# Altium PCB PCB.PcbDoc (continued)
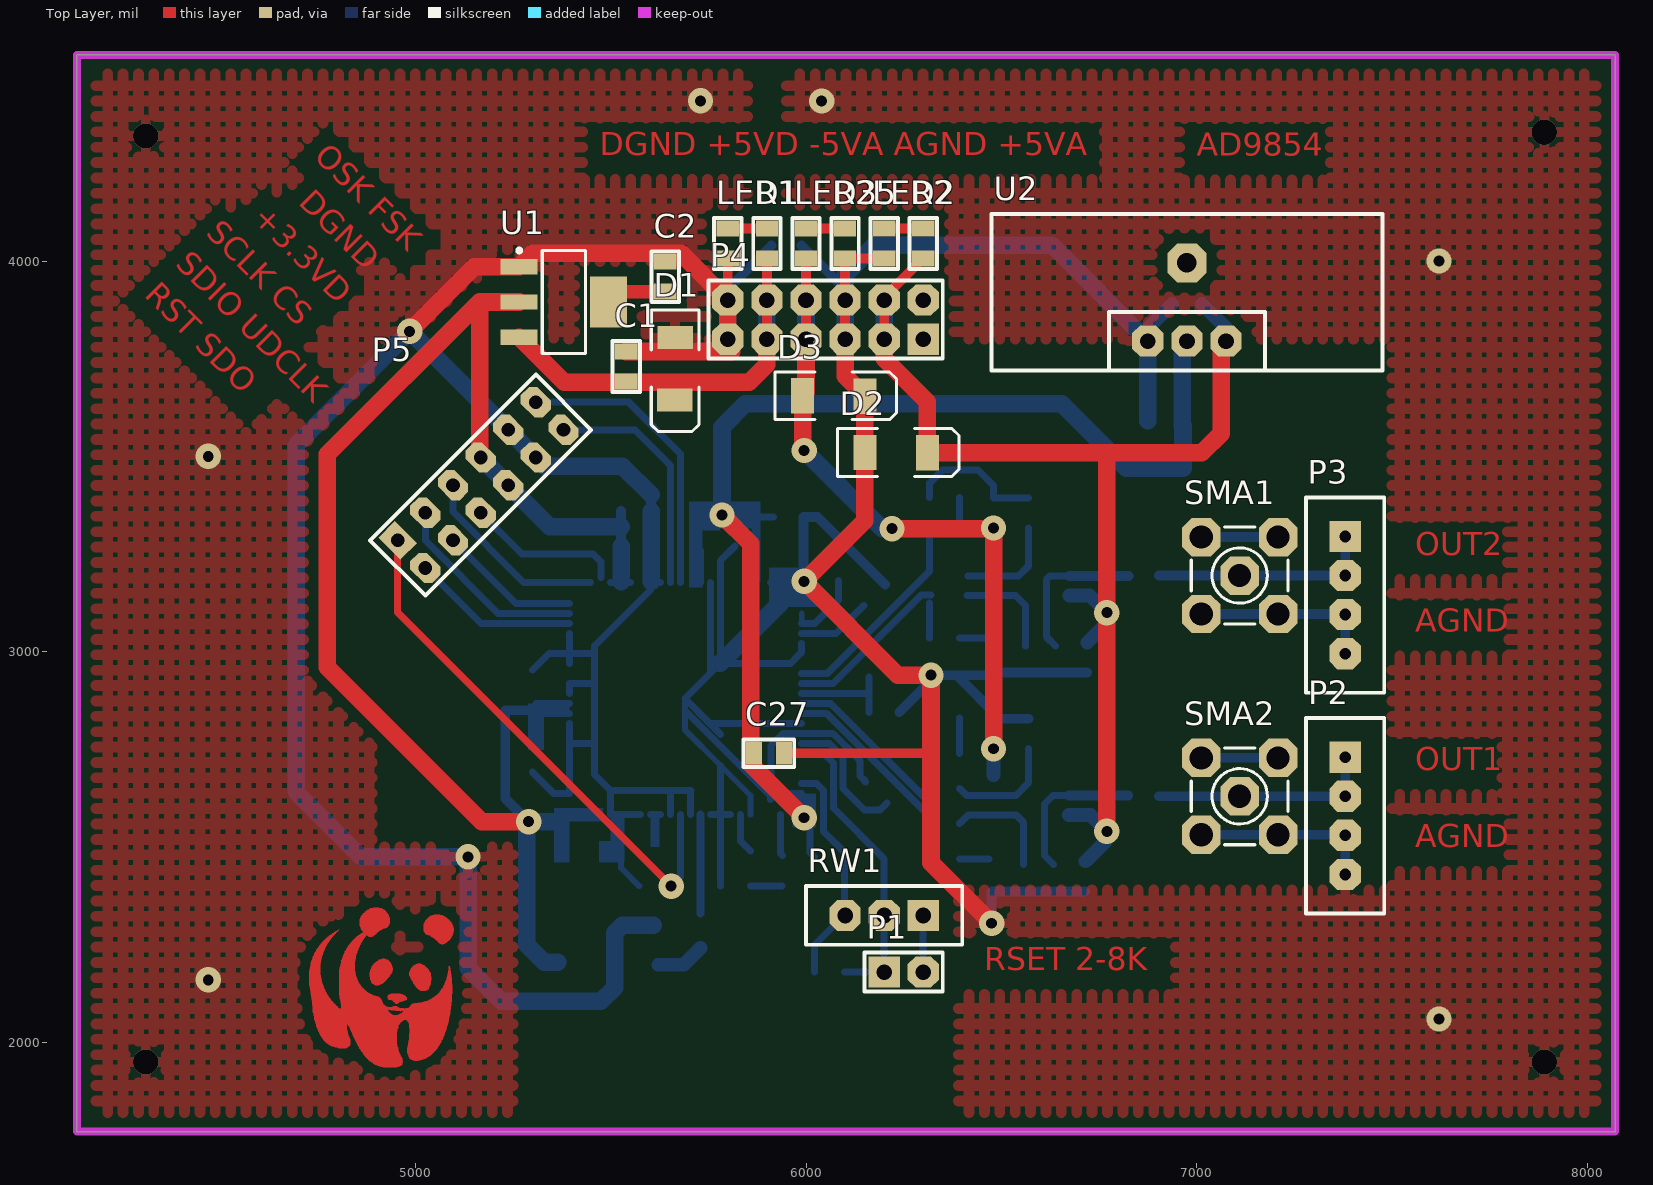
[diagram p0: Top Layer view]
## Nets (pads, with @x,y where several pads share a name; then routed paths per layer and width w, separated by ;. In a path a pad name is that pad's centre, name@x,y a point inside that pad or via, vN(x,y) a via of type N, cw(c..) or ccw(c..) an arc to the next point about the centre after c; other vN are vias at no path point) (continued)
  Top Layer w1: 4729,2148 4763,2148 ; 4729,2149 4763,2149 ; 4729,2150 4762,2150 ; 4729,2151 4762,2151 ; 4729,2152 4762,2152 ; 4729,2153 4762,2153 ; 4729,2154 4761,2154 ; 4729,2155 4761,2155 ; 4729,2156 4760,2156 ; 4729,2157 4760,2157 ; 4729,2158 4760,2158 ; 4729,2159 4760,2159 ; 4729,2160 4759,2160 ; 4729,2161 4759,2161 ; 4729,2162 4759,2162 ; 4729,2163 4759,2163 ; 4729,2164 4759,2164 ; 4729,2165 4759,2165 ; 4729,2166 4758,2166 ; 4729,2167 4758,2167 ; 4729,2168 4758,2168 ; 4729,2169 4758,2169 ; 4729,2170 4758,2170 ; 4729,2171 4758,2171 ; 4729,2172 4758,2172 ; 4729,2173 4757,2173 ; 4729,2174 4757,2174 ; 4729,2175 4757,2175 ; 4729,2176 4757,2176 ; 4729,2177 4757,2177 ; 4729,2178 4757,2178 ; 4729,2179 4757,2179 ; 4729,2180 4757,2180 ; 4729,2181 4757,2181 ; 4729,2182 4757,2182 ; 4729,2183 4757,2183 ; 4729,2184 4757,2184 ; 4730,2143 4765,2143 ; 4730,2144 4764,2144 ; 4730,2145 4764,2145 ; 4730,2146 4764,2146 ; 4730,2147 4763,2147 ; 4730,2185 4757,2185 ; 4730,2186 4757,2186 ; 4730,2187 4757,2187 ; 4730,2188 4757,2188 ; 4730,2189 4757,2189 ; 4731,2135 4768,2135 ; 4731,2136 4768,2136 ; 4731,2137 4767,2137 ; 4731,2138 4767,2138 ; 4731,2139 4767,2139 ; 4731,2140 4766,2140 ; 4731,2141 4766,2141 ; 4731,2142 4766,2142 ; 4731,2190 4757,2190 ; 4731,2191 4757,2191 ; 4731,2192 4757,2192 ; 4731,2193 4757,2193 ; 4731,2194 4757,2194 ; 4731,2195 4757,2195 ; 4732,2129 4771,2129 ; 4732,2130 4771,2130 ; 4732,2131 4770,2131 ; 4732,2132 4770,2132 ; 4732,2133 4770,2133 ; 4732,2134 4769,2134 ; 4732,2196 4757,2196 ; 4732,2197 4757,2197 ; 4732,2198 4757,2198 ; 4732,2199 4757,2199 ; 4732,2200 4757,2200 ; 4733,2124 4774,2124 ; 4733,2125 4773,2125 ; 4733,2126 4773,2126 ; 4733,2127 4772,2127 ; 4733,2128 4772,2128 ; 4733,2201 4757,2201 ; 4733,2202 4757,2202 ; 4733,2203 4757,2203 ; 4733,2204 4758,2204 ; 4734,2117 4779,2117 ; 4734,2118 4777,2118 ; 4734,2119 4777,2119 ; 4734,2120 4777,2120 ; 4734,2121 4776,2121 ; 4734,2122 4775,2122 ; 4734,2123 4775,2123 ; 4734,2205 4758,2205 ; 4734,2206 4758,2206 ; 4734,2207 4758,2207 ; 4734,2208 4758,2208 ; 4735,2109 4784,2109 ; 4735,2110 4784,2110 ; 4735,2111 4783,2111 ; 4735,2112 4782,2112 ; 4735,2113 4781,2113 ; 4735,2114 4780,2114 ; 4735,2115 4780,2115 ; 4735,2116 4779,2116 ; 4735,2209 4758,2209 ; 4735,2210 4758,2210 ; 4736,2097 4795,2097 ; 4736,2098 4794,2098 ; 4736,2099 4793,2099 ; 4736,2100 4792,2100 ; 4736,2101 4791,2101 ; 4736,2102 4790,2102 ; 4736,2103 4789,2103 ; 4736,2104 4789,2104 ; 4736,2105 4788,2105 ; 4736,2106 4786,2106 ; 4736,2107 4785,2107 ; 4736,2108 4785,2108 ; 4736,2211 4758,2211 ; 4736,2212 4759,2212 ; 4736,2213 4759,2213 ; 4736,2214 4759,2214 ; 4737,2087 4806,2087 ; 4737,2088 4805,2088 ; 4737,2089 4803,2089 ; 4737,2090 4802,2090 ; 4737,2091 4801,2091 ; 4737,2092 4800,2092 ; 4737,2093 4799,2093 ; 4737,2094 4798,2094 ; 4737,2095 4797,2095 ; 4737,2096 4796,2096 ; 4737,2215 4759,2215 ; 4737,2216 4759,2216 ; 4737,2217 4760,2217 ; 4738,2079 4932,2079 ; 4738,2080 4931,2080 ; 4738,2081 4931,2081 ; 4738,2082 4930,2082 ; 4738,2083 4930,2083 ; 4738,2084 4929,2084 ; 4738,2085 4928,2085 ; 4738,2086 4808,2086 ; 4738,2218 4760,2218 ; 4738,2219 4760,2219 ; 4739,2076 4934,2076 ; 4739,2077 4933,2077 ; 4739,2078 4933,2078 ; 4739,2220 4760,2220 ; 4739,2221 4761,2221 ; 4740,2070 4946,2070 ; 4740,2071 4942,2071 ; 4740,2072 4940,2072 ; 4740,2073 4939,2073 ; 4740,2074 4937,2074 ; 4740,2075 4936,2075 ; 4740,2222 4761,2222 ; 4740,2223 4762,2223 ; 4741,2064 5087,2064 ; 4741,2065 5087,2065 ; 4741,2066 5087,2066 ; 4741,2067 5087,2067 ; 4741,2068 5087,2068 ; 4741,2069 5088,2069 ; 4741,2224 4762,2224 ; 4741,2225 4762,2225 ; 4742,2059 5086,2059 ; 4742,2060 5086,2060 ; 4742,2061 5086,2061 ; 4742,2062 5086,2062 ; 4742,2063 5087,2063 ; 4742,2226 4763,2226 ; 4742,2227 4763,2227 ; 4742,2228 4763,2228 ; 4743,2057 4968,2057 ; 4743,2058 4970,2058 ; 4743,2229 4763,2229 ; 4744,2053 4963,2053 ; 4744,2054 4965,2054 ; 4744,2055 4966,2055 ; 4744,2056 4966,2056 ; 4744,2230 4764,2230 ; 4744,2231 4764,2231 ; 4745,2049 4960,2049 ; 4745,2050 4961,2050 ; 4745,2051 4962,2051 ; 4745,2052 4962,2052 ; 4745,2232 4764,2232 ; 4745,2233 4765,2233 ; 4746,2045 4824,2045 ; 4746,2046 4824,2046 ; 4746,2047 4825,2047 ; 4746,2048 4959,2048 ; 4746,2234 4766,2234 ; 4746,2235 4766,2235 ; 4747,2042 4824,2042 ; 4747,2043 4824,2043 ; 4747,2044 4824,2044 ; 4747,2236 4766,2236 ; 4747,2237 4767,2237 ; 4748,2040 4824,2040 ; 4748,2041 4824,2041 ; 4748,2238 4767,2238 ; 4749,2037 4825,2037 ; 4749,2038 4824,2038 ; 4749,2039 4824,2039 ; 4749,2239 4768,2239 ; 4749,2240 4768,2240 ; 4750,2034 4825,2034 ; 4750,2035 4825,2035 ; 4750,2036 4825,2036 ; 4750,2241 4768,2241 ; 4751,2031 4826,2031 ; 4751,2032 4826,2032 ; 4751,2033 4826,2033 ; 4751,2242 4769,2242 ; 4751,2243 4770,2243 ; 4752,2030 4826,2030 ; 4752,2244 4770,2244 ; 4753,2028 4826,2028 ; 4753,2029 4826,2029 ; 4753,2245 4770,2245 ; 4754,2025 4827,2025 ; 4754,2026 4827,2026 ; 4754,2027 4827,2027 ; 4754,2246 4771,2246 ; 4754,2247 4772,2247 ; 4755,2023 4827,2023 ; 4755,2024 4827,2024 ; 4755,2248 4772,2248 ; 4755,2249 4772,2249 ; 4756,2022 4827,2022 ; 4757,2020 4828,2020 ; 4757,2021 4828,2021 ; 4757,2250 4773,2250 ; 4758,2018 4829,2018 ; 4758,2019 4829,2019 ; 4758,2251 4773,2251 ; 4758,2252 4774,2252 ; 4759,2016 4830,2016 ; 4759,2017 4829,2017 ; 4759,2253 4775,2253 ; 4760,2015 4831,2015 ; 4760,2254 4775,2254 ; 4761,2014 4831,2014 ; 4761,2255 4776,2255 ; 4762,2012 4831,2012 ; 4762,2013 4831,2013 ; 4762,2256 4777,2256 ; 4763,2011 4832,2011 ; 4763,2257 4777,2257 ; 4763,2258 4778,2258 ; 4764,2009 4832,2009 ; 4764,2010 4832,2010 ; 4764,2259 4779,2259 ; 4765,2008 4833,2008 ; 4766,2007 4833,2007 ; 4766,2260 4780,2260 ; 4766,2261 4780,2261 ; 4767,2006 4833,2006 ; 4767,2262 4781,2262 ; 4768,2004 4833,2004 ; 4768,2005 4833,2005 ; 4768,2263 4781,2263 ; 4770,2003 4833,2003 ; 4770,2264 4782,2264 ; 4771,2002 4833,2002 ; 4771,2265 4783,2265 ; 4772,2001 4833,2001 ; 4772,2266 4784,2266 ; 4773,2000 4833,2000 ; 4773,2267 4784,2267 ; 4774,1999 4833,1999 ; 4774,2268 4785,2268 ; 4776,1998 4833,1998 ; 4776,2269 4786,2269 ; 4776,2270 4786,2270 ; 4777,1997 4833,1997 ; 4777,2271 4788,2271 ; 4779,1996 4833,1996 ; 4779,2272 4789,2272 ; 4780,1995 4833,1995 ; 4780,2273 4789,2273 ; 4781,1994 4832,1994 ; 4781,2274 4790,2274 ; 4783,2275 4791,2275 ; 4784,1993 4832,1993 ; 4784,2276 4792,2276 ; 4786,1992 4831,1992 ; 4786,2277 4793,2277 ; 4787,2278 4794,2278 ; 4788,1991 4831,1991 ; 4788,2279 4794,2279 ; 4790,2280 4796,2280 ; 4791,1990 4829,1990 ; 4792,2281 4797,2281 ; 4793,2282 4798,2282 ; 4794,2283 4798,2283 ; 4795,1989 4827,1989 ; 4796,2284 4799,2284 ; 4798,2285 4801,2285 ; 4800,2286 4802,2286 ; 4801,1988 4825,1988 ; 4801,2287 4803,2287 ; 4803,2288 4804,2288 ; 4804,1987 4823,1987 ; 4805,2134 4871,2134 ; 4805,2135 4870,2135 ; 4805,2136 4868,2136 ; 4805,2137 4868,2137 ; 4805,2138 4867,2138 ; 4805,2139 4866,2139 ; 4805,2140 4865,2140 ; 4805,2141 4863,2141 ; 4805,2142 4863,2142 ; 4805,2143 4862,2143 ; 4805,2144 4861,2144 ; 4805,2145 4861,2145 ; 4805,2146 4860,2146 ; 4805,2147 4859,2147 ; 4805,2148 4858,2148 ; 4805,2149 4858,2149 ; 4805,2150 4857,2150 ; 4805,2151 4857,2151 ; 4805,2152 4856,2152 ; 4805,2153 4855,2153 ; 4805,2154 4854,2154 ; 4805,2155 4854,2155 ; 4805,2156 4854,2156 ; 4805,2157 4853,2157 ; 4805,2158 4853,2158 ; 4805,2159 4852,2159 ; 4805,2160 4852,2160 ; 4805,2161 4852,2161 ; 4805,2162 4851,2162 ; 4805,2163 4851,2163 ; 4805,2164 4850,2164 ; 4805,2165 4850,2165 ; 4805,2166 4849,2166 ; 4805,2167 4849,2167 ; 4805,2168 4849,2168 ; 4805,2169 4849,2169 ; 4805,2170 4848,2170 ; 4805,2171 4848,2171 ; 4805,2172 4848,2172 ; 4805,2173 4848,2173 ; 4805,2174 4847,2174 ; 4805,2175 4847,2175 ; 4805,2176 4846,2176 ; 4806,2122 4890,2122 ; 4806,2123 4888,2123 ; 4806,2124 4885,2124 ; 4806,2125 4884,2125 ; 4806,2126 4882,2126 ; 4806,2127 4880,2127 ; 4806,2128 4878,2128 ; 4806,2129 4878,2129 ; 4806,2130 4876,2130 ; 4806,2131 4874,2131 ; 4806,2132 4873,2132 ; 4806,2133 4872,2133 ; 4806,2177 4846,2177 ; 4806,2178 4846,2178 ; 4806,2179 4846,2179 ; 4806,2180 4846,2180 ; 4806,2181 4846,2181 ; 4806,2182 4846,2182 ; 4806,2183 4845,2183 ; 4806,2184 4845,2184 ; 4806,2185 4845,2185 ; 4806,2186 4845,2186 ; 4807,2113 4910,2113 ; 4807,2114 4909,2114 ; 4807,2115 4908,2115 ; 4807,2116 4907,2116 ; 4807,2117 4906,2117 ; 4807,2118 4901,2118 ; 4807,2119 4898,2119 ; 4807,2120 4896,2120 ; 4807,2121 4893,2121 ; 4807,2187 4845,2187 ; 4807,2188 4845,2188 ; 4807,2189 4845,2189 ; 4807,2190 4845,2190 ; 4807,2191 4845,2191 ; 4807,2192 4845,2192 ; 4807,2193 4845,2193 ; 4808,2109 4913,2109 ; 4808,2110 4913,2110 ; 4808,2111 4912,2111 ; 4808,2112 4911,2112 ; 4808,2194 4845,2194 ; 4808,2195 4845,2195 ; 4808,2196 4845,2196 ; 4809,2086 4928,2086 ; 4809,2101 4917,2101 ; 4809,2102 4916,2102 ; 4809,2103 4916,2103 ; 4809,2104 4915,2104 ; 4809,2105 4915,2105 ; 4809,2106 4914,2106 ; 4809,2107 4914,2107 ; 4809,2108 4914,2108 ; 4809,2197 4845,2197 ; 4809,2198 4845,2198 ; 4809,2199 4845,2199 ; 4809,2200 4845,2200 ; 4809,2201 4845,2201 ; 4810,2087 4970,2087 ; 4810,2088 4963,2088 ; 4810,2094 4922,2094 ; 4810,2095 4922,2095 ; 4810,2096 4920,2096 ; 4810,2097 4919,2097 ; 4810,2098 4918,2098 ; 4810,2099 4918,2099 ; 4810,2100 4917,2100 ; 4810,2202 4845,2202 ; 4810,2203 4845,2203 ; 4810,2204 4845,2204 ; 4810,2205 4845,2205 ; 4810,2206 4845,2206 ; 4811,2089 4959,2089 ; 4811,2090 4957,2090 ; 4811,2091 4928,2091 ; 4811,2092 4926,2092 ; 4811,2093 4924,2093 ; 4811,2207 4845,2207 ; 4811,2208 4845,2208 ; 4811,2209 4846,2209 ; 4811,2210 4846,2210 ; 4812,2211 4846,2211 ; 4812,2212 4846,2212 ; 4813,2213 4846,2213 ; 4813,2214 4846,2214 ; 4813,2215 4846,2215 ; 4814,2216 4847,2216 ; 4814,2217 4847,2217 ; 4814,2218 4847,2218 ; 4814,2219 4848,2219 ; 4815,2220 4848,2220 ; 4815,2221 4848,2221 ; 4816,2222 4848,2222 ; 4816,2223 4848,2223 ; 4816,2224 4849,2224 ; 4817,2225 4849,2225 ; 4818,2226 4849,2226 ; 4818,2227 4849,2227 ; 4818,2228 4850,2228 ; 4819,2229 4850,2229 ; 4819,2230 4850,2230 ; 4820,2231 4851,2231 ; 4820,2232 4851,2232 ; 4820,2233 4852,2233 ; 4821,2234 4852,2234 ; 4822,2235 4852,2235 ; 4822,2236 4853,2236 ; 4823,2237 4853,2237 ; 4823,2238 4853,2238 ; 4824,2239 4854,2239 ; 4824,2240 4854,2240 ; 4825,2241 4854,2241 ; 4826,2242 4855,2242 ; 4827,2047 4959,2047 ; 4827,2243 4855,2243 ; 4827,2244 4855,2244 ; 4827,2245 4856,2245 ; 4828,2046 4958,2046 ; 4828,2246 4857,2246 ; 4829,2044 4957,2044 ; 4829,2045 4957,2045 ; 4829,2247 4857,2247 ; 4830,2043 4957,2043 ; 4830,2248 4858,2248 ; 4830,2249 4858,2249 ; 4831,2041 4956,2041 ; 4831,2042 4956,2042 ; 4831,2250 4858,2250 ; 4832,2038 4956,2038 ; 4832,2039 4956,2039 ; 4832,2040 4956,2040 ; 4832,2251 4859,2251 ; 4833,2036 4955,2036 ; 4833,2037 4955,2037 ; 4833,2252 4860,2252 ; 4833,2253 4860,2253 ; 4834,2034 4954,2034 ; 4834,2035 4954,2035 ; 4834,2254 4861,2254 ; 4835,2032 4954,2032 ; 4835,2033 4954,2033 ; 4835,2255 4861,2255 ; 4836,2029 4953,2029 ; 4836,2030 4954,2030 ; 4836,2031 4954,2031 ; 4836,2256 4862,2256 ; 4836,2257 4862,2257 ; 4837,2027 4953,2027 ; 4837,2028 4953,2028 ; 4837,2258 4863,2258 ; 4838,2025 4953,2025 ; 4838,2026 4953,2026 ; 4839,2023 4953,2023 ; 4839,2024 4953,2024 ; 4839,2259 4863,2259 ; 4840,2020 4953,2020 ; 4840,2021 4953,2021 ; 4840,2022 4953,2022 ; 4840,2260 4864,2260 ; 4840,2261 4865,2261 ; 4841,2017 4952,2017 ; 4841,2018 4952,2018 ; 4841,2019 4952,2019 ; 4841,2262 4865,2262 ; 4842,2015 4952,2015 ; 4842,2016 4952,2016 ; 4842,2263 4866,2263 ; 4843,2014 4952,2014 ; 4843,2264 4867,2264 ; 4844,2012 4952,2012 ; 4844,2013 4952,2013 ; 4845,2010 4952,2010 ; 4845,2011 4952,2011 ; 4845,2265 4867,2265 ; 4845,2266 4868,2266 ; 4846,2007 4952,2007 ; 4846,2008 4952,2008 ; 4846,2009 4952,2009 ; 4846,2267 4868,2267 ; 4847,2006 4952,2006 ; 4848,2004 4952,2004 ; 4848,2005 4952,2005 ; 4848,2268 4869,2268 ; 4849,2002 4953,2002 ; 4849,2003 4953,2003 ; 4849,2269 4870,2269 ; 4849,2270 4870,2270 ; 4850,1999 4953,1999 ; 4850,2000 4953,2000 ; 4850,2001 4953,2001 ; 4851,1998 4953,1998 ; 4851,2271 4871,2271 ; 4852,1996 4953,1996 ; 4852,1997 4953,1997 ; 4852,2272 4872,2272 ; 4853,1994 4954,1994 ; 4853,1995 4953,1995 ; 4854,1992 4954,1992 ; 4854,1993 4954,1993 ; 4854,2273 4873,2273 ; 4854,2274 4874,2274 ; 4855,1990 4954,1990 ; 4855,1991 4954,1991 ; 4856,1989 4954,1989 ; 4856,2275 4874,2275 ; 4857,1987 4955,1987 ; 4857,1988 4955,1988 ; 4857,2276 4896,2276 ; 4858,1985 4956,1985 ; 4858,1986 4956,1986 ; 4858,2300 4931,2300 ; 4858,2301 4932,2301 ; 4858,2302 4932,2302 ; 4858,2303 4933,2303 ; 4858,2304 4933,2304 ; 4858,2305 4933,2305 ; 4858,2306 4934,2306 ; 4858,2307 4934,2307 ; 4858,2308 4935,2308 ; 4858,2309 4935,2309 ; 4858,2310 4935,2310 ; 4858,2311 4935,2311 ; 4858,2312 4935,2312 ; 4858,2313 4935,2313 ; 4858,2314 4935,2314 ; 4858,2315 4935,2315 ; 4859,1984 4956,1984 ; 4859,2277 4897,2277 ; 4859,2297 4929,2297 ; 4859,2298 4930,2298 ; 4859,2299 4931,2299 ; 4859,2316 4935,2316 ; 4859,2317 4935,2317 ; 4859,2318 4934,2318 ; 4860,1982 4957,1982 ; 4860,1983 4956,1983 ; 4860,2295 4927,2295 ; 4860,2296 4928,2296 ; 4860,2319 4934,2319 ; 4861,1981 4957,1981 ; 4861,2278 4898,2278 ; 4861,2293 4920,2293 ; 4861,2294 4923,2294 ; 4861,2320 4933,2320 ; 4861,2321 4933,2321 ; 4861,2322 4933,2322 ; 4862,1979 4957,1979 ; 4862,1980 4957,1980 ; 4862,2279 4898,2279 ; 4862,2290 4914,2290 ; 4862,2291 4915,2291 ; 4862,2292 4918,2292 ; 4862,2323 4932,2323 ; 4862,2324 4932,2324 ; 4863,1977 4958,1977 ; 4863,1978 4958,1978 ; 4863,2280 4900,2280 ; 4863,2289 4912,2289 ; 4863,2325 4932,2325 ; 4864,2288 4910,2288 ; 4864,2326 4931,2326 ; 4865,1975 4959,1975 ; 4865,1976 4958,1976 ; 4865,2281 4901,2281 ; 4865,2286 4907,2286 ; 4865,2287 4908,2287 ; 4865,2327 4931,2327 ; 4866,1973 4959,1973 ; 4866,1974 4959,1974 ; 4866,2284 4904,2284 ; 4866,2285 4906,2285 ; 4866,2328 4930,2328 ; 4866,2329 4929,2329 ; 4867,1972 4959,1972 ; 4867,2282 4902,2282 ; 4867,2283 4903,2283 ; 4867,2330 4929,2330 ; 4868,1970 4961,1970 ; 4868,1971 4960,1971 ; 4868,2331 4928,2331 ; 4869,1969 4961,1969 ; 4870,1968 4961,1968 ; 4870,2332 4927,2332 ; 4871,1967 4962,1967 ; 4871,2333 4926,2333 ; 4871,2334 4926,2334 ; 4872,1965 4963,1965 ; 4872,1966 4963,1966 ; 4872,2335 4925,2335 ; 4874,1964 4963,1964 ; 4874,2336 4924,2336 ; 4875,1962 4965,1962 ; 4875,1963 4964,1963 ; 4876,1961 4965,1961 ; 4876,2275 4894,2275 ; 4876,2337 4923,2337 ; 4876,2338 4922,2338 ; 4877,1960 4966,1960 ; 4878,1959 4966,1959 ; 4878,2274 4893,2274 ; 4878,2339 4921,2339 ; 4879,1958 4966,1958 ; 4879,2273 4893,2273 ; 4880,1957 4967,1957 ; 4880,2340 4920,2340 ; 4881,1956 4967,1956 ; 4881,2272 4890,2272 ; 4882,2341 4918,2341 ; 4883,1955 4967,1955 ; 4884,1953 4968,1953 ; 4884,1954 4967,1954 ; 4884,2169 4932,2169 ; 4884,2170 4933,2170 ; 4884,2171 4934,2171 ; 4884,2172 4935,2172 ; 4884,2173 4935,2173 ; 4884,2174 4936,2174 ; 4884,2175 4937,2175 ; 4884,2176 4937,2176 ; 4884,2177 4938,2177 ; 4884,2178 4939,2178 ; 4884,2179 4940,2179 ; 4884,2180 4940,2180 ; 4884,2342 4915,2342 ; 4885,2162 4927,2162 ; 4885,2163 4927,2163 ; 4885,2164 4928,2164 ; 4885,2165 4929,2165 ; 4885,2166 4930,2166 ; 4885,2167 4931,2167 ; 4885,2168 4931,2168 ; 4885,2181 4941,2181 ; 4885,2182 4941,2182 ; 4885,2183 4941,2183 ; 4885,2184 4941,2184 ; 4885,2185 4941,2185 ; 4885,2343 4914,2343 ; 4886,1952 4968,1952 ; 4886,2160 4924,2160 ; 4886,2161 4926,2161 ; 4886,2186 4942,2186 ; 4886,2187 4942,2187 ; 4887,1951 4968,1951 ; 4887,2156 4921,2156 ; 4887,2157 4922,2157 ; 4887,2158 4923,2158 ; 4887,2159 4923,2159 ; 4887,2188 4942,2188 ; 4887,2189 4942,2189 ; 4887,2190 4942,2190 ; 4888,2154 4919,2154 ; 4888,2155 4919,2155 ; 4888,2191 4941,2191 ; 4888,2192 4941,2192 ; 4888,2193 4941,2193 ; 4888,2344 4911,2344 ; 4889,1950 4968,1950 ; 4889,2153 4917,2153 ; 4889,2194 4941,2194 ; 4889,2195 4941,2195 ; 4891,1949 4967,1949 ; 4891,2152 4916,2152 ; 4891,2196 4940,2196 ; 4891,2197 4940,2197 ; 4892,1948 4967,1948 ; 4892,2151 4914,2151 ; 4892,2198 4940,2198 ; 4892,2345 4907,2345 ; 4893,1947 4967,1947 ; 4893,2199 4939,2199 ; 4894,2150 4911,2150 ; 4894,2200 4939,2200 ; 4894,2201 4938,2201 ; 4895,1946 4967,1946 ; 4895,2149 4910,2149 ; 4895,2202 4938,2202 ; 4896,2203 4937,2203 ; 4897,1945 4966,1945 ; 4897,2204 4936,2204 ; 4898,1944 4966,1944 ; 4898,2148 4907,2148 ; 4899,2205 4936,2205 ; 4900,2206 4935,2206 ; 4901,1943 4965,1943 ; 4901,2207 4934,2207 ; 4903,2208 4933,2208 ; 4904,1942 4963,1942 ; 4905,2209 4932,2209 ; 4905,2210 4931,2210 ; 4906,1941 4961,1941 ; 4907,2211 4930,2211 ; 4908,1940 4960,1940 ; 4910,2212 4927,2212 ; 4912,1939 4957,1939 ; 4913,2213 4925,2213 ; 4916,2214 4922,2214 ; 4918,1938 4952,1938 ; 4929,2115 4978,2115 ; 4929,2116 4977,2116 ; 4929,2117 4976,2117 ; 4929,2118 4975,2118 ; 4929,2119 4974,2119 ; 4930,2086 5091,2086 ; 4930,2114 4978,2114 ; 4930,2120 4973,2120 ; 4931,2112 4978,2112 ; 4931,2113 4978,2113 ; 4931,2121 4972,2121 ; 4932,2085 5090,2085 ; 4932,2111 4978,2111 ; 4932,2122 4969,2122 ; 4935,2123 4966,2123 ; 4937,2084 5090,2084 ; 4937,2110 4978,2110 ; 4939,2124 4962,2124 ; 4940,2109 4976,2109 ; 4941,2091 4954,2091 ; 4942,2083 5090,2083 ; 4942,2108 4972,2108 ; 4942,2125 4959,2125 ; 4943,2107 4968,2107 ; 4944,2106 4964,2106 ; 4945,2092 4952,2092 ; 4945,2105 4961,2105 ; 4947,2104 4959,2104 ; 4948,2093 4949,2093 ; 4948,2103 4958,2103 ; 4949,2102 4957,2102 ; 4950,2082 5090,2082 ; 4950,2100 4954,2100 ; 4950,2101 4956,2101 ; 4952,2070 5088,2070 ; 4952,2099 4953,2099 ; 4957,2071 5088,2071 ; 4959,2072 5088,2072 ; 4961,2073 5088,2073 ; 4962,2074 5088,2074 ; 4962,2081 4963,2081 ; 4965,2075 5089,2075 ; 4966,2076 5089,2076 ; 4967,2077 5089,2077 ; 4968,2078 5089,2078 ; 4969,2079 5090,2079 ; 4970,2080 5090,2080 ; 4971,2081 5090,2081 ; 4976,2087 5091,2087 ; 4978,2058 5086,2058 ; 4979,2057 5085,2057 ; 4980,1975 5046,1975 ; 4980,1976 5047,1976 ; 4980,1977 5048,1977 ; 4980,1978 5049,1978 ; 4980,1979 5050,1979 ; 4980,1980 5051,1980 ; 4980,1981 5052,1981 ; 4980,1982 5053,1982 ; 4980,1983 5053,1983 ; 4980,1984 5054,1984 ; 4980,1985 5055,1985 ; 4980,1986 5056,1986 ; 4980,1987 5057,1987 ; 4980,2055 5084,2055 ; 4980,2056 5085,2056 ; 4981,1971 5042,1971 ; 4981,1972 5043,1972 ; 4981,1973 5044,1973 ; 4981,1974 5045,1974 ; 4981,1988 5057,1988 ; 4981,1989 5058,1989 ; 4981,1990 5058,1990 ; 4981,1991 5060,1991 ; 4981,1992 5060,1992 ; 4981,2088 5091,2088 ; 4982,1968 5039,1968 ; 4982,1969 5040,1969 ; 4982,1970 5041,1970 ; 4982,1993 5060,1993 ; 4982,1994 5061,1994 ; 4982,1995 5062,1995 ; 4982,1996 5062,1996 ; 4982,1997 5063,1997 ; 4982,1998 5064,1998 ; 4982,1999 5064,1999 ; 4982,2053 5084,2053 ; 4982,2054 5084,2054 ; 4983,1965 5035,1965 ; 4983,1966 5036,1966 ; 4983,1967 5038,1967 ; 4983,2000 5065,2000 ; 4983,2001 5065,2001 ; 4983,2002 5066,2002 ; 4983,2003 5066,2003 ; 4983,2004 5067,2004 ; 4983,2005 5067,2005 ; 4983,2050 5083,2050 ; 4983,2051 5084,2051 ; 4983,2052 5084,2052 ; 4983,2089 5091,2089 ; 4984,1963 5031,1963 ; 4984,1964 5033,1964 ; 4984,2006 5067,2006 ; 4984,2007 5068,2007 ; 4984,2008 5069,2008 ; 4984,2009 5069,2009 ; 4984,2010 5070,2010 ; 4984,2011 5070,2011 ; 4984,2046 5082,2046 ; 4984,2047 5083,2047 ; 4984,2048 5083,2048 ; 4984,2049 5083,2049 ; 4984,2090 5091,2090 ; 4985,1961 5028,1961 ; 4985,1962 5029,1962 ; 4985,2012 5071,2012 ; 4985,2013 5071,2013 ; 4985,2014 5071,2014 ; 4985,2015 5072,2015 ; 4985,2016 5072,2016 ; 4985,2017 5073,2017 ; 4985,2018 5073,2018 ; 4985,2019 5074,2019 ; 4985,2020 5074,2020 ; 4985,2021 5074,2021 ; 4985,2022 5075,2022 ; 4985,2039 5080,2039 ; 4985,2040 5080,2040 ; 4985,2041 5081,2041 ; 4985,2042 5081,2042 ; 4985,2043 5082,2043 ; 4985,2044 5082,2044 ; 4985,2045 5082,2045 ; 4985,2172 5040,2172 ; 4985,2173 5040,2173 ; 4985,2174 5040,2174 ; 4985,2175 5039,2175 ; 4985,2176 5039,2176 ; 4985,2177 5039,2177 ; 4985,2178 5038,2178 ; 4985,2179 5038,2179 ; 4985,2180 5038,2180 ; 4986,2023 5075,2023 ; 4986,2024 5075,2024 ; 4986,2025 5076,2025 ; 4986,2026 5076,2026 ; 4986,2027 5077,2027 ; 4986,2028 5077,2028 ; 4986,2029 5077,2029 ; 4986,2030 5078,2030 ; 4986,2031 5078,2031 ; 4986,2032 5078,2032 ; 4986,2033 5079,2033 ; 4986,2034 5079,2034 ; 4986,2035 5079,2035 ; 4986,2036 5079,2036 ; 4986,2037 5080,2037 ; 4986,2038 5080,2038 ; 4986,2091 5091,2091 ; 4986,2171 5040,2171 ; 4986,2181 5037,2181 ; 4986,2182 5036,2182 ; 4987,1960 5026,1960 ; 4987,2092 5091,2092 ; 4987,2169 5040,2169 ; 4987,2170 5040,2170 ; 4987,2183 5035,2183 ; 4987,2184 5035,2184 ; 4987,2185 5035,2185 ; 4988,1959 5023,1959 ; 4988,2093 5091,2093 ; 4988,2166 5041,2166 ; 4988,2167 5041,2167 ; 4988,2168 5041,2168 ; 4988,2186 5034,2186 ; 4988,2187 5033,2187 ; 4989,1958 5020,1958 ; 4989,2094 5091,2094 ; 4989,2095 5092,2095 ; 4989,2164 5041,2164 ; 4989,2165 5041,2165 ; 4989,2188 5032,2188 ; 4989,2189 5031,2189 ; 4990,2096 5092,2096 ; 4990,2163 5041,2163 ; 4990,2190 5030,2190 ; 4991,1957 5018,1957 ; 4991,2097 5092,2097 ; 4991,2098 5092,2098 ; 4991,2161 5041,2161 ; 4991,2162 5041,2162 ; 4991,2191 5029,2191 ; 4992,2099 5092,2099 ; 4992,2159 5040,2159 ; 4992,2160 5041,2160 ; 4992,2192 5028,2192 ; 4992,2193 5027,2193 ; 4993,1956 5013,1956 ; 4993,2157 5040,2157 ; 4993,2158 5040,2158 ; 4993,2194 5026,2194 ; 4994,2156 5040,2156 ; 4994,2195 5025,2195 ; 4995,2153 5039,2153 ; 4995,2154 5040,2154 ; 4995,2155 5040,2155 ; 4996,2152 5039,2152 ; 4996,2196 5024,2196 ; 4996,2197 5023,2197 ; 4997,1955 5007,1955 ; 4997,2150 5039,2150 ; 4997,2151 5039,2151 ; 4998,2100 5092,2100 ; 4998,2148 5038,2148 ; 4998,2149 5038,2149 ; 4998,2198 5022,2198 ; 4999,2147 5038,2147 ; 5000,2146 5037,2146 ; 5000,2199 5019,2199 ; 5001,2144 5036,2144 ; 5001,2145 5037,2145 ; 5002,2143 5036,2143 ; 5002,2200 5017,2200 ; 5003,2142 5035,2142 ; 5004,2141 5035,2141 ; 5005,2140 5035,2140 ; 5005,2201 5014,2201 ; 5006,2139 5034,2139 ; 5008,2138 5034,2138 ; 5009,2101 5092,2101 ; 5009,2137 5032,2137 ; 5010,2136 5031,2136 ; 5012,2135 5030,2135 ; 5014,2134 5027,2134 ; 5015,2102 5092,2102 ; 5018,2103 5092,2103 ; 5019,2133 5021,2133 ; 5021,2289 5098,2289 ; 5021,2290 5098,2290 ; 5021,2291 5098,2291 ; 5021,2292 5098,2292 ; 5021,2293 5097,2293 ; 5021,2294 5097,2294 ; 5021,2295 5097,2295 ; 5021,2296 5097,2296 ; 5021,2297 5097,2297 ; 5021,2298 5096,2298 ; 5021,2299 5096,2299 ; 5021,2300 5096,2300 ; 5022,2104 5092,2104 ; 5022,2286 5098,2286 ; 5022,2287 5098,2287 ; 5022,2288 5098,2288 ; 5022,2301 5095,2301 ; 5022,2302 5095,2302 ; 5022,2303 5094,2303 ; 5022,2304 5094,2304 ; 5023,2284 5097,2284 ; 5023,2285 5097,2285 ; 5023,2305 5093,2305 ; 5023,2306 5092,2306 ; 5024,2282 5097,2282 ; 5024,2283 5097,2283 ; 5024,2307 5092,2307 ; 5025,2281 5097,2281 ; 5025,2308 5091,2308 ; 5025,2309 5091,2309 ; 5026,2105 5092,2105 ; 5026,2279 5096,2279 ; 5026,2280 5096,2280 ; 5026,2310 5090,2310 ; 5026,2311 5088,2311 ; 5027,2278 5096,2278 ; 5027,2312 5087,2312 ; 5027,2313 5087,2313 ; 5028,2314 5086,2314 ; 5029,2315 5084,2315 ; 5030,2106 5093,2106 ; 5030,2277 5096,2277 ; 5030,2316 5083,2316 ; 5031,2317 5083,2317 ; 5032,2107 5093,2107 ; 5032,2318 5081,2318 ; 5033,2319 5080,2319 ; 5034,2108 5093,2108 ; 5034,2276 5095,2276 ; 5034,2320 5078,2320 ; 5035,2321 5077,2321 ; 5036,2109 5093,2109 ; 5036,2275 5095,2275 ; 5036,2322 5075,2322 ; 5038,2323 5074,2323 ; 5039,2110 5093,2110 ; 5039,2274 5094,2274 ; 5040,2273 5093,2273 ; 5040,2324 5071,2324 ; 5041,2111 5093,2111 ; 5041,2112 5093,2112 ; 5041,2272 5093,2272 ; 5043,2271 5092,2271 ; 5043,2325 5069,2325 ; 5044,2113 5093,2113 ; 5044,2326 5067,2326 ; 5045,2114 5093,2114 ; 5045,2270 5092,2270 ; 5046,2269 5092,2269 ; 5047,2115 5093,2115 ; 5048,2116 5093,2116 ; 5048,2268 5091,2268 ; 5049,2117 5093,2117 ; 5049,2267 5090,2267 ; 5049,2327 5063,2327 ; 5051,2118 5093,2118 ; 5051,2265 5089,2265 ; 5051,2266 5089,2266 ; 5052,2119 5093,2119 ; 5052,2264 5088,2264 ; 5053,2120 5093,2120 ; 5054,2121 5093,2121 ; 5054,2263 5087,2263 ; 5055,2262 5086,2262 ; 5056,2122 5093,2122 ; 5056,2261 5084,2261 ; 5057,2123 5093,2123 ; 5057,2260 5083,2260 ; 5058,2124 5093,2124 ; 5058,2125 5093,2125 ; 5058,2259 5082,2259 ; 5059,2258 5080,2258 ; 5060,2126 5094,2126 ; 5060,2256 5079,2256 ; 5060,2257 5079,2257 ; 5061,2127 5094,2127 ; 5061,2255 5077,2255 ; 5062,2128 5094,2128 ; 5062,2129 5094,2129 ; 5063,2130 5094,2130 ; 5064,2131 5094,2131 ; 5064,2254 5075,2254 ; 5065,2132 5094,2132 ; 5065,2133 5094,2133 ; 5066,2134 5094,2134 ; 5067,2135 5094,2135 ; 5067,2136 5094,2136 ; 5067,2253 5071,2253 ; 5068,2137 5094,2137 ; 5069,2138 5094,2138 ; 5070,2139 5094,2139 ; 5070,2140 5094,2140 ; 5071,2141 5094,2141 ; 5071,2142 5094,2142 ; 5072,2143 5094,2143 ; 5073,2144 5094,2144 ; 5073,2145 5094,2145 ; 5073,2146 5094,2146 ; 5074,2147 5094,2147 ; 5074,2148 5094,2148 ; 5075,2149 5093,2149 ; 5075,2150 5093,2150 ; 5075,2151 5093,2151 ; 5076,2152 5093,2152 ; 5077,2153 5093,2153 ; 5077,2154 5093,2154 ; 5077,2155 5093,2155 ; 5078,2156 5093,2156 ; 5078,2157 5093,2157 ; 5078,2158 5093,2158 ; 5079,2159 5093,2159 ; 5079,2160 5093,2160 ; 5079,2161 5093,2161 ; 5080,2162 5093,2162 ; 5080,2163 5093,2163 ; 5080,2164 5093,2164 ; 5080,2165 5093,2165 ; 5081,2166 5092,2166 ; 5081,2167 5092,2167 ; 5082,2168 5092,2168 ; 5082,2169 5092,2169 ; 5082,2170 5092,2170 ; 5082,2171 5092,2171 ; 5083,2172 5092,2172 ; 5083,2173 5092,2173 ; 5083,2174 5092,2174 ; 5083,2175 5092,2175 ; 5083,2176 5091,2176 ; 5083,2177 5091,2177 ; 5084,2178 5091,2178 ; 5084,2179 5091,2179 ; 5084,2180 5091,2180 ; 5084,2181 5091,2181 ; 5084,2182 5091,2182 ; 5084,2183 5090,2183 ; 5085,2184 5090,2184 ; 5085,2185 5090,2185 ; 5085,2186 5090,2186 ; 5086,2187 5090,2187 ; 5086,2188 5090,2188 ; 5086,2189 5089,2189 ; 5086,2190 5089,2190 ; 5086,2191 5089,2191 ; 5086,2192 5088,2192 ; 5086,2193 5088,2193 ; 5086,2194 5088,2194 ; 5086,2195 5088,2195

## Polygon pours and split planes (outlines as drawn)
DGND on Bottom Layer "bot" (hatched 90Degree grid 39.37 track 27.56, remove dead copper, pour order 20): 4133.86,3425 4874.8,3425 4875,3425.2 4875,1771.65 4133.86,1771.65 4133.86,3425
DGND on Bottom Layer "bot" (hatched 90Degree grid 39.37 track 27.56, remove dead copper, pour order 19): 5850,3425 5850,4527.56 5847.44,4525 4140,4525 4140,3425 5850,3425
AGND on Bottom Layer "bot" (hatched 90Degree grid 39.37 track 27.56, remove dead copper, pour order 17): 5950,4527.56 5950,3400 5955,3405 8070.87,3405 8070.87,4527.56 5950,4527.56
AGND on Bottom Layer "bot" (hatched 90Degree grid 39.37 track 27.56, remove dead copper, pour order 15): 6950,1771.65 6950,2483.66 6948.66,2485 5825,2485 5825,1771.65 6950,1771.65
AGND on Bottom Layer "bot" (hatched 90Degree grid 39.37 track 27.56, remove dead copper, pour order 14): 8070.87,1771.65 8070.87,3395 6965,3395 6950,3395 6950,1771.65 8070.87,1771.65
DGND on Bottom Layer "bot" (hatched 90Degree grid 39.37 track 27.56, remove dead copper, pour order 13): 4875,1771.65 5675,1771.65 5675,2500 4875,2500 4875,1771.65
AGND on Top Layer "bot" (hatched 90Degree grid 39.37 track 27.56, remove dead copper, pour order 16): 5950,4527.56 8070.87,4527.56 8070.87,3800 5950,3800 5950,4527.56
AGND on Top Layer "bot" (hatched 90Degree grid 39.37 track 27.56, remove dead copper, pour order 18): 8070.87,3800 8070.87,1780 7508.35,1780 7500,1771.65 7500,3800 8070.87,3800
AGND on Top Layer "bot" (hatched 90Degree grid 39.37 track 27.56, remove dead copper, pour order 21): 6390,2390 6390,1771.65 7500,1771.65 7500,2390 6390,2390
DGND on Top Layer "bot" (hatched 90Degree grid 39.37 track 27.56, remove dead copper, pour order 22): 4133.86,4520 4133.86,1771.65 4888.35,1771.65 4890,1770 4890,4520 4133.86,4520
DGND on Top Layer "bot" (hatched 90Degree grid 39.37 track 27.56, remove dead copper, pour order 23): 4850,4478.78 4851.22,4480 5850,4480 5850,3800 4850,3800 4850,4480
DGND on Top Layer "bot" (hatched 90Degree grid 39.37 track 27.56, remove dead copper, pour order 24): 5250,2500 4842.52,2500 4842.52,1774.18 4840,1771.65 5250,1771.65 5250,2500

## Keep-outs
Keep-Out Layer:
  the board outline again, w20

## Other copper
Top Layer:
  text "OSK FSK" at 4724.41,4251.97 h100 r315
  text "DGND +5VD -5VA AGND +5VA" at 5472.44,4251.97 h100
  text "AD9854" at 7000,4250 h100
  text "DGND" at 4685.04,4133.86 h100 r315
  text "+3.3VD" at 4566.93,4094.49 h100 r315
  text "SCLK CS" at 4448.82,4055.12 h100 r315
  text "SDIO UDCLK" at 4370.08,3976.38 h100 r315
  text "RST SDO" at 4291.34,3897.64 h100 r315
  text "OUT2" at 7559.06,3228.35 h100
  text "AGND" at 7559.06,3031.5 h100
  text "OUT1" at 7559.06,2677.17 h100
  text "AGND" at 7559.06,2480.32 h100
  text "RSET 2-8K" at 6456.69,2165.35 h100
Bottom Layer:
  rectangle net +3.3VD: 5602.24,2500 5625,2583.15
  rectangle net DGND: 5470,2460 5500,2515
  rectangle net DGND: 5499.88,2460 5535,2583.15
  rectangle net +3.3VD: 5355,2460 5395,2565
  rectangle net +3.3VD: 5355,2565 5480,2600
  rectangle net +3.3VD: 5288,2749 5329,2842.01
  rectangle net +3.3VD: 5288,2842.01 5394.57,2868
  rectangle net AGND: 5905,3115 6030,3215
  rectangle net +3.3VA: 5700,3165 5735,3385
  rectangle net +3.3VA: 5735,3310 5780,3385
  rectangle net +3.3VA: 5860,3177.64 5883.74,3385
  rectangle net +3.3VA: 5780,3315 5860,3385
  rectangle net +3.3VA: 5965,2550 6025,2637.28